# KiCad board selen-full.kicad_pcb
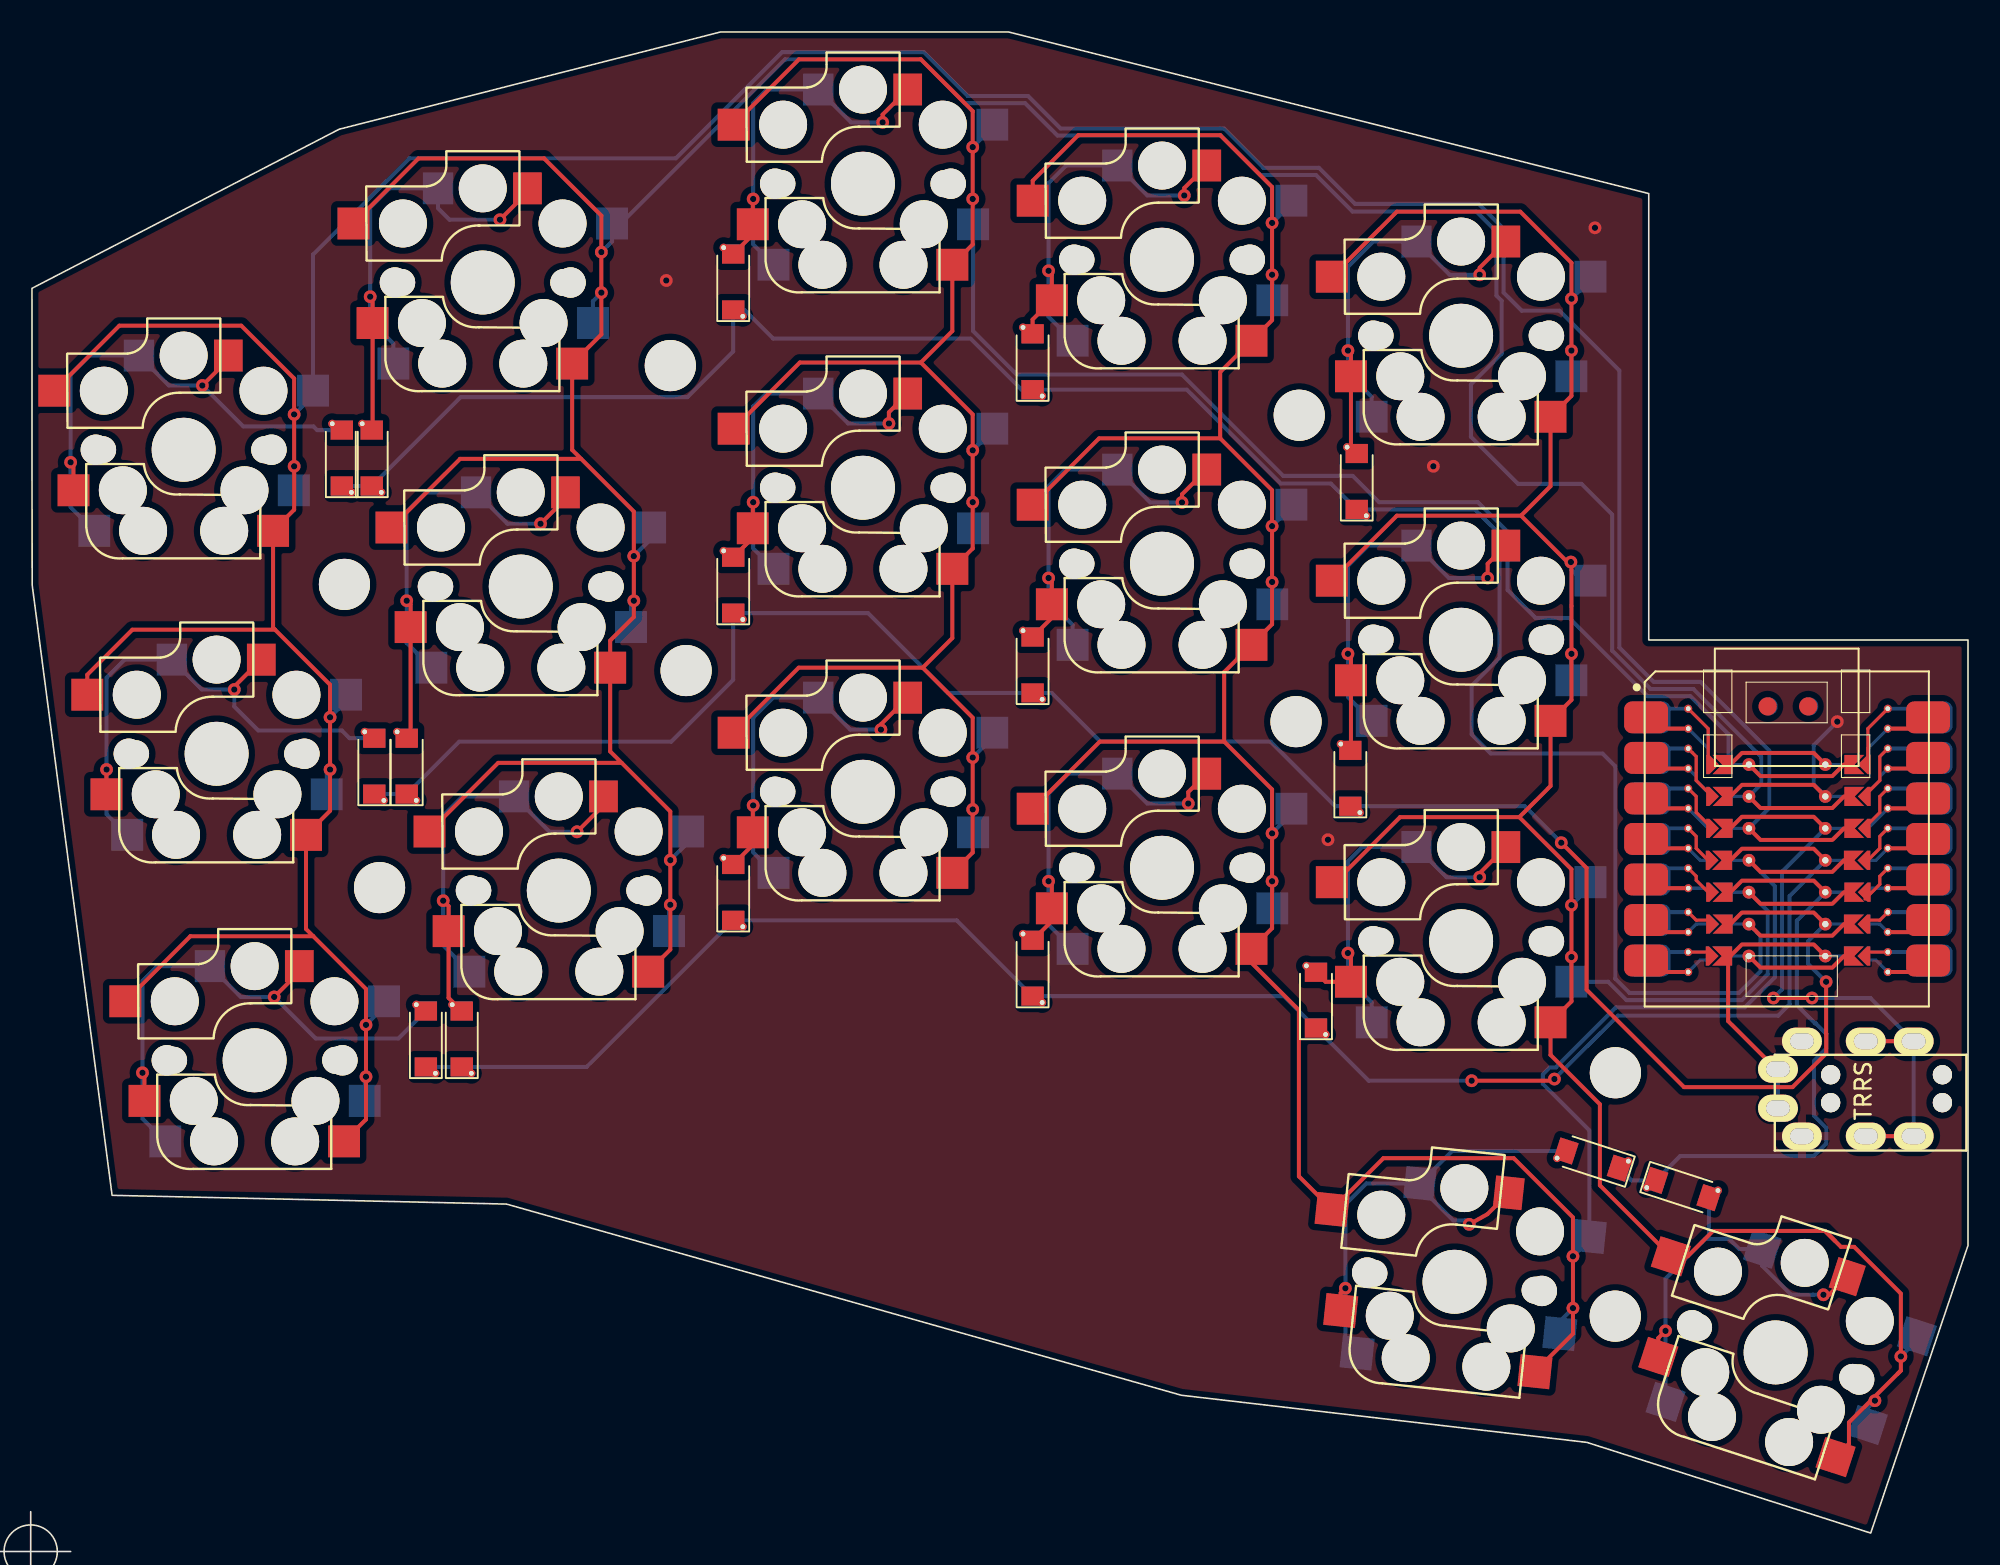
[diagram p0: board, top side]
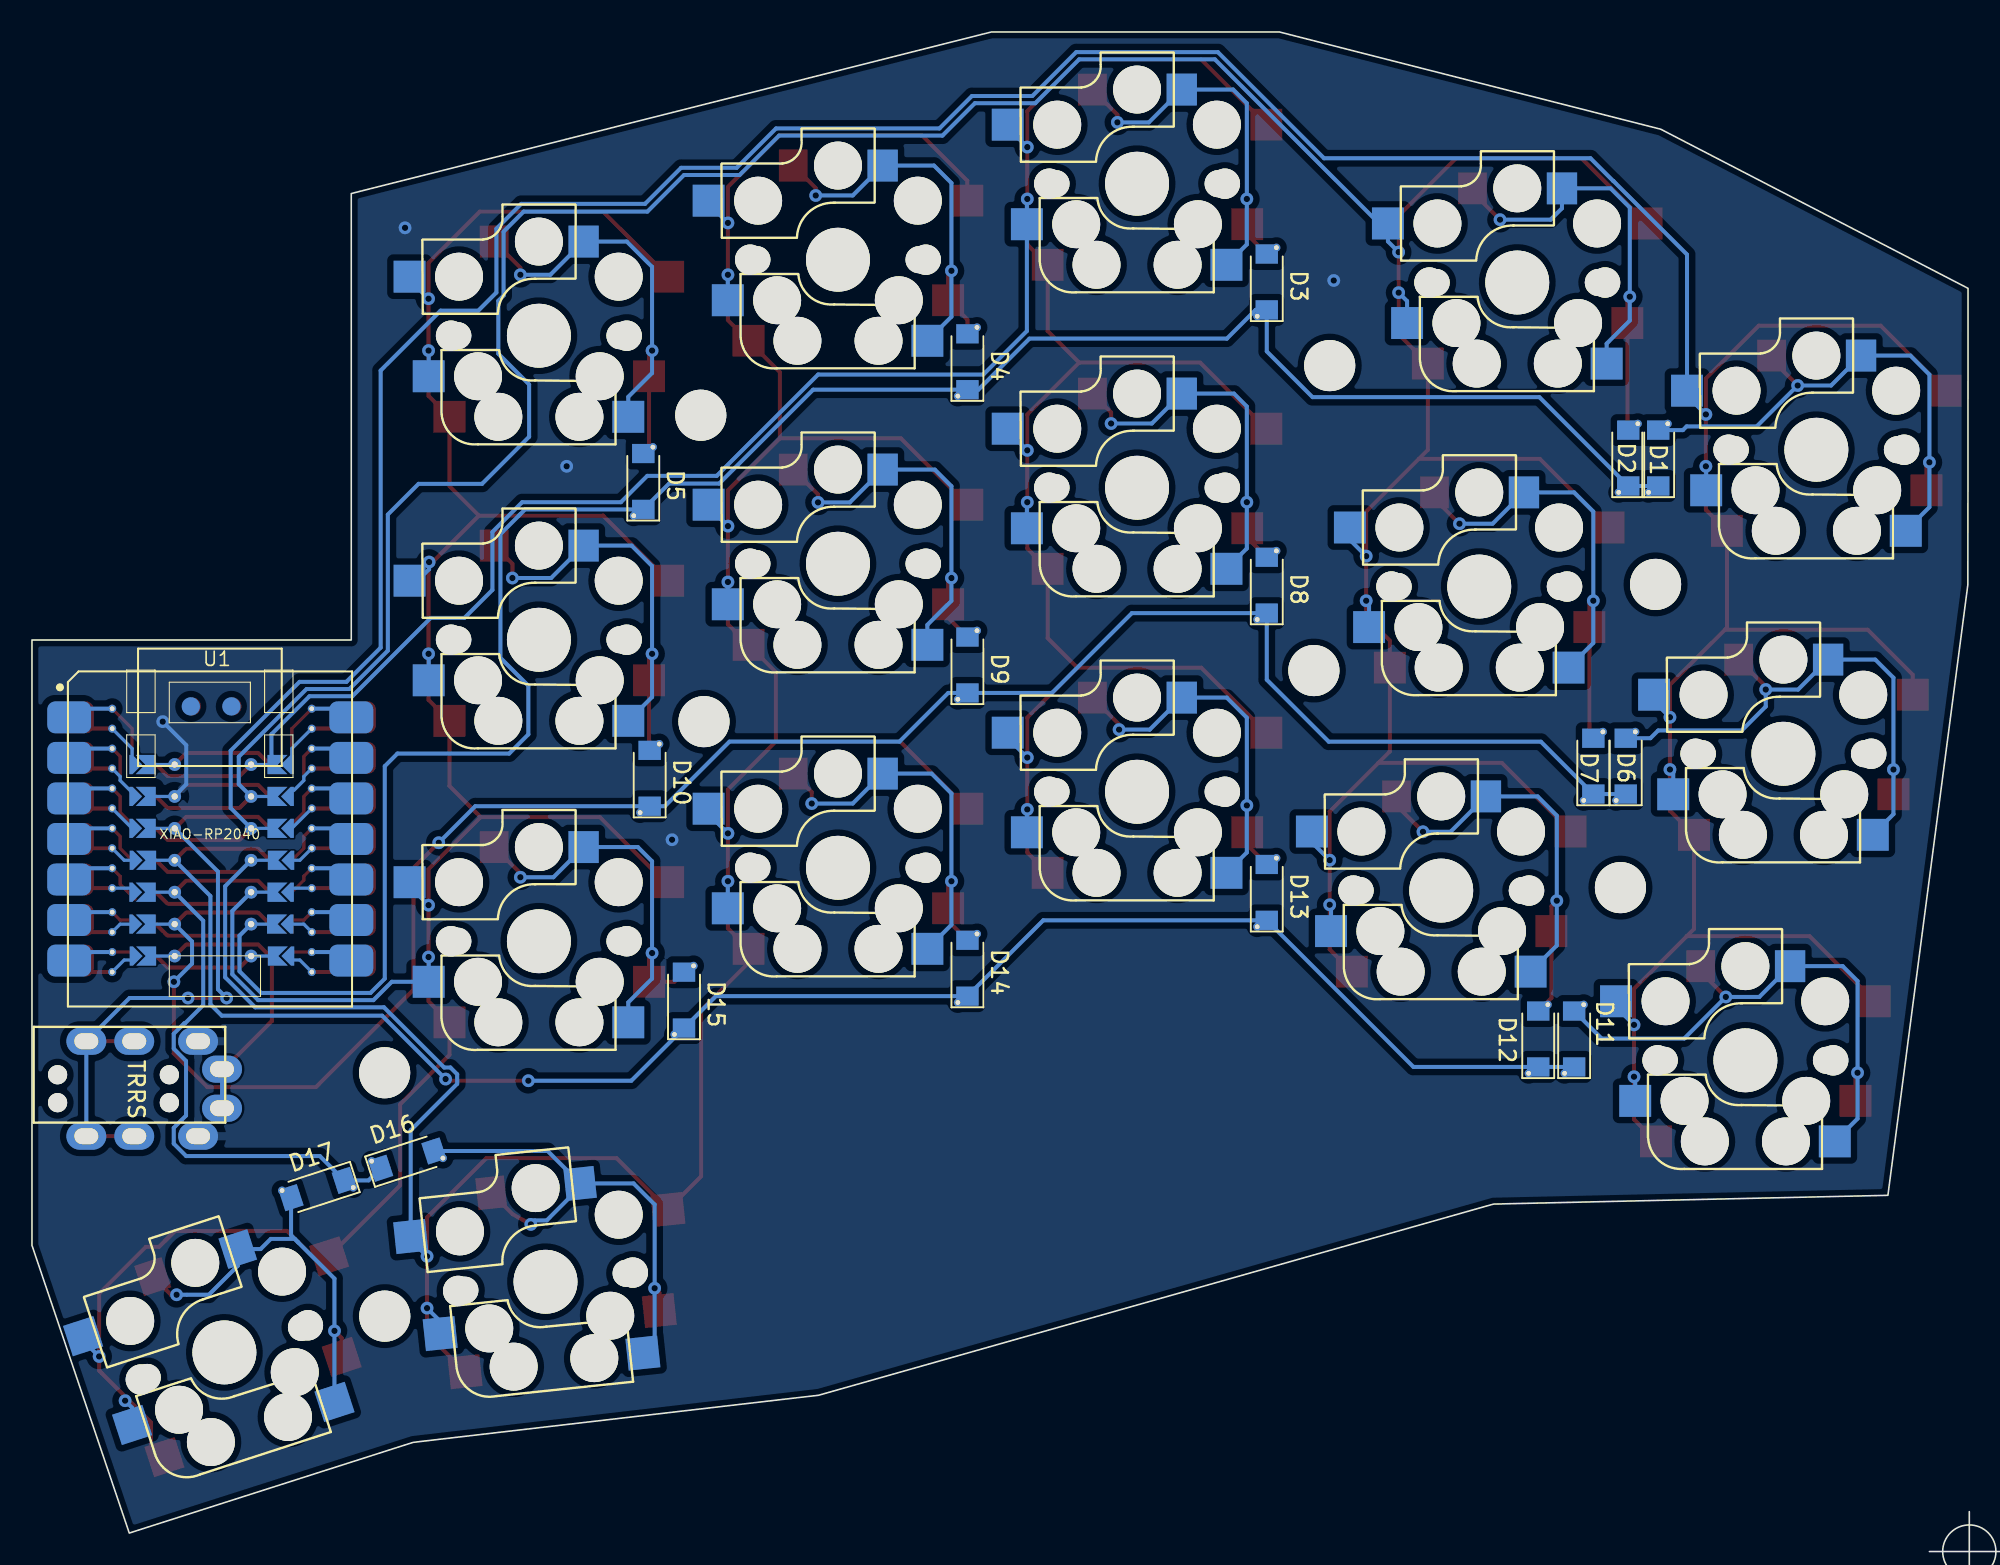
[diagram p1: board, bottom side, seen from below]

Outline 121.26 x 94.06 mm; copper layers: Top, Bottom. Coordinates in mm from the lower left corner of the outline.
Outline path: 101.26,83.93 101.26,55.96 121.26,55.96 121.26,18.03 115.17,0 97.39,5.68 71.99,8.64 29.72,20.61 5.02,21.16 0.01,59.43 0,78 19.24,87.97 43.14,94.06 61.15,94.06 closed
Stack: Top 0.035mm / dielectric 1.51mm FR4 er 4.5 / Bottom 0.035mm

## Placement (name value [footprint] x y rotation side)
D1  D  [D_SOD-123_axial]  19.41 67.31 90 top
D2  D  [D_SOD-123_axial]  21.28 67.31 90 top
D3  D  [D_SOD-123_axial]  43.92 78.34 90 top
D4  D  [D_SOD-123_axial]  62.67 73.34 90 top
D5  D  [D_SOD-123_axial]  82.97 65.84 90 top
D6  D  [D_SOD-123_axial]  21.44 48.01 90 top
D7  D  [D_SOD-123_axial]  23.47 48.01 90 top
D8  D  [D_SOD-123_axial]  43.92 59.34 90 top
D9  D  [D_SOD-123_axial]  62.67 54.34 90 top
D10  D  [D_SOD-123_axial]  82.57 47.24 90 top
D11  D  [D_SOD-123_axial]  24.67 30.91 90 top
D12  D  [D_SOD-123_axial]  26.92 30.91 90 top
D13  D  [D_SOD-123_axial]  43.92 40.09 90 top
D14  D  [D_SOD-123_axial]  62.67 35.34 90 top
D15  D  [D_SOD-123_axial]  80.42 33.34 90 top
D16  D  [D_SOD-123_axial]  97.8 23.39 162 top
D17  D  [D_SOD-123_axial]  103.32 21.57 342 top
J1  AudioJack4  [MJ-4PP-9]  121.16 26.97 270 top
REF**  -  [MountingHole_3.2mm_M3]  99.17 28.84 0 top
REF**#2  -  [MountingHole_3.2mm_M3]  79.37 70.04 0 top
REF**#3  -  [MountingHole_3.2mm_M3]  21.77 40.44 0 top
REF**#4  -  [MountingHole_3.2mm_M3]  39.98 73.15 0 top
REF**#5  -  [MountingHole_3.2mm_M3]  19.57 59.44 0 top
REF**#6  -  [MountingHole_3.2mm_M3]  79.17 50.84 0 top
REF**#7  -  [MountingHole_3.2mm_M3]  99.16 13.59 0 top
REF**#8  -  [MountingHole_3.2mm_M3]  40.97 54.04 0 top
SW1  SW_Push  [CherryMX_Choc_Hotswap]  9.5 67.88 180 top
SW2  SW_Push  [CherryMX_Choc_Hotswap]  28.23 78.36 180 top
SW3  SW_Push  [CherryMX_Choc_Hotswap]  52.05 84.55 180 top
SW4  SW_Push  [CherryMX_Choc_Hotswap]  70.78 79.79 180 top
SW5  SW_Push  [CherryMX_Choc_Hotswap]  89.51 75.03 180 top
SW6  SW_Push  [CherryMX_Choc_Hotswap]  11.57 48.83 180 top
SW7  SW_Push  [CherryMX_Choc_Hotswap]  30.62 59.31 180 top
SW8  SW_Push  [CherryMX_Choc_Hotswap]  52.05 65.5 180 top
SW9  SW_Push  [CherryMX_Choc_Hotswap]  70.78 60.74 180 top
SW10  SW_Push  [CherryMX_Choc_Hotswap]  89.51 55.98 180 top
SW11  SW_Push  [CherryMX_Choc_Hotswap]  13.95 29.62 180 top
SW12  SW_Push  [CherryMX_Choc_Hotswap]  33 40.26 180 top
SW13  SW_Push  [CherryMX_Choc_Hotswap]  52.05 46.45 180 top
SW14  SW_Push  [CherryMX_Choc_Hotswap]  70.78 41.69 180 top
SW15  SW_Push  [CherryMX_Choc_Hotswap]  89.51 37.08 180 top
SW16  SW_Push  [CherryMX_Choc_Hotswap]  89.1 15.75 174 top
SW17  SW_Push  [CherryMX_Choc_Hotswap]  109.21 11.32 162 top
U1  XIAO-RP2040  [XIAO-MOUDLE14P-2.54-21X17.8MM_SMD_reversible]  99.74 32.91 0 top

## Footprints (pads in the part's own frame, mm; a bottom-side part is the same pattern mirrored in y, then rotated)
CherryMX_Choc_Hotswap
  round 1.9 hole 1.9 unplated: (-5.5,0) (5.5,0)
  round 1.7 hole 1.7 unplated: (-5.08,0) (5.08,0)
  round 3 hole 3 unplated: (-5,-3.7) (-3.81,2.54) (-2.54,5.08) (0,-5.9) (2.54,5.08) (3.81,2.54) (5,-3.7)
  round 4 hole 4 unplated: (0,0)
  rect 2x2 smd far side: 1(-8.1,-3.7) 1(-6.9,2.54) 2(5.6,5.08)
  rect 2x2 smd: 1(-5.6,5.08) 1(8.1,-3.7) 2(6.9,2.54)
  rect 1.8x2 smd: 2(-2.8,-5.9)
  rect 1.9x2 smd far side: 2(2.8,-5.9)
D_SOD-123_axial
  round 0.5 hole 0.3: 1(-2.1,-0.6) 2(2.2,0.6)
  rect 1.2x1.4 smd: 1(-1.7,0) 2(1.8,0)
  rect 1.2x1.4 smd far side: 1(-1.7,0) 2(1.8,0)
MJ-4PP-9
  round 1.2 hole 1.2 unplated: (-1.75,-1.5) (-1.75,-8.5) (0,-1.5) (0,-8.5)
  oval 1.7x2.5 hole 1x1.5: A(-2.1,-11.8) A(0.35,-11.8) B(-3.85,-3.3) B(2.1,-3.3) C(-3.85,-6.3) C(2.1,-6.3) D(-3.85,-10.3) D(2.1,-10.3)
MountingHole_3.2mm_M3
  round 3.2 hole 3.2 unplated: (0,0)
XIAO-MOUDLE14P-2.54-21X17.8MM_SMD_reversible
  rrect 2.748x1.999 smd: (1.358,18.206) (1.358,15.666) (1.358,13.126) (1.358,10.586) (1.358,8.046) (1.358,5.506) (1.358,2.966) (19.024,18.206) (19.024,15.666) (19.024,13.126) (19.024,10.586) (19.024,8.046) (19.024,5.506) (19.024,2.966)
  rrect 2.748x1.999 smd far side: (1.524,18.206) (1.524,15.666) (1.524,13.126) (1.524,10.586) (1.524,8.046) (1.524,5.506) (1.524,2.966) (19.191,18.206) (19.191,15.666) (19.191,13.126) (19.191,10.586) (19.191,8.046) (19.191,5.506) (19.191,2.966)
  round 0.5 hole 0.3: (4,18.75) (4,17.5) (4,16.25) (4,15) (4,13.75) (4,12.5) (4,11.25) (4,10) (4,8.75) (4,7.5) (4,6) (4,4.75) (4,3.5) (4,2.25) (16.5,18.75) (16.5,17.5) (16.5,16.25) (16.5,15) (16.5,13.75) (16.5,12.5) (16.5,11.25) (16.5,10) (16.5,8.75) (16.5,7.5) (16.5,6) (16.5,4.75) (16.5,3.5) (16.5,2.25)
  custom 0.8x1.2 smd: (5.5,9.25) (5.5,3.25) (5.524,15.25) (5.524,13.25) (5.524,11.25) (5.524,7.25) (5.524,5.25) (15,9.25) (15,5.25) (15,3.25) (15.024,15.25) (15.024,13.25) (15.024,11.25) (15.024,7.25)
  custom 0.8x1.2 smd far side: (5.5,9.25) (5.5,3.25) (5.524,15.25) (5.524,13.25) (5.524,11.25) (5.524,7.25) (5.549,5.25) (15,9.25) (15,3.25) (15.024,15.25) (15.024,13.25) (15.024,11.25) (15.024,7.25) (15.024,5.25)
  custom 1.25x1.2 smd far side: 1(6.524,15.25) 2(6.524,13.25) 3(6.524,11.25) 4(6.5,9.25) 5(6.524,7.25) 6(6.549,5.25) 7(6.5,3.25) 8(14,3.25) 9(14.024,5.25) 10(14.024,7.25) 11(14,9.25) 12(14.024,11.25) 13(14.024,13.25) 14(14.024,15.25)
  custom 6.2x0.975 smd: 1(7.801,15.25) 2(7.801,13.25) 3(7.801,11.25) 4(7.801,9.25) 5(7.801,7.25) 6(7.801,5.25) 7(7.801,3.25) 8(12.587,3.25) 9(12.587,5.25) 10(12.587,7.25) 11(12.587,9.25) 12(12.587,11.25) 13(12.587,13.25) 14(12.587,15.25)
  round 0.8 hole 0.4: 1(7.801,15.25) 2(7.801,13.25) 3(7.801,11.25) 4(7.801,9.25) 5(7.801,7.25) 6(7.801,5.25) 7(7.801,3.25) 8(12.587,3.25) 9(12.587,5.25) 10(12.587,7.25) 11(12.587,9.25) 12(12.587,11.25) 13(12.587,13.25) 14(12.587,15.25)
  custom 1.25x1.2 smd: 1(14.024,15.25) 2(14.024,13.25) 3(14.024,11.25) 4(14,9.25) 5(14.024,7.25) 6(14,5.25) 7(14,3.25) 8(6.5,3.25) 9(6.524,5.25) 10(6.524,7.25) 11(6.5,9.25) 12(6.524,11.25) 13(6.524,13.25) 14(6.524,15.25)
  round 1.143 smd: 17(8.973,18.893) 18(11.513,18.893)
  round 1.143 smd far side: 17(11.576,18.893) 18(9.036,18.893)

## Nets
+3V3: J1.B J1.C U1.12
GND: J1.D U1.13
col0: SW1.1 SW6.1 SW11.1 U1.3
col1: SW2.1 SW7.1 SW12.1 U1.2
col2: SW3.1 SW8.1 SW13.1 U1.1
col3: SW4.1 SW9.1 SW14.1 SW16.1 U1.4
col4: SW5.1 SW10.1 SW15.1 SW17.1 U1.5
data: J1.A U1.8
row0: D1.1 D2.1 D3.1 D4.1 D5.1 U1.6
row1: D6.1 D7.1 D8.1 D9.1 D10.1 U1.9
row2: D11.1 D12.1 D13.1 D14.1 D15.1 U1.11
row3: D16.1 D17.1 U1.10
Net-(D1-Pad2): D1.2 SW1.2
Net-(D2-Pad2): D2.2 SW2.2
Net-(D3-Pad2): D3.2 SW3.2
Net-(D4-Pad2): D4.2 SW4.2
Net-(D5-Pad2): D5.2 SW5.2
Net-(D6-Pad2): D6.2 SW6.2
Net-(D7-Pad2): D7.2 SW7.2
Net-(D8-Pad2): D8.2 SW8.2
Net-(D9-Pad2): D9.2 SW9.2
Net-(D10-Pad2): D10.2 SW10.2
Net-(D11-Pad2): D11.2 SW11.2
Net-(D12-Pad2): D12.2 SW12.2
Net-(D13-Pad2): D13.2 SW13.2
Net-(D14-Pad2): D14.2 SW14.2
Net-(D15-Pad2): D15.2 SW15.2
Net-(D16-Pad2): D16.2 SW16.2
Net-(D17-Pad2): D17.2 SW17.2

Pads without a net: U1 7 14 17 18

## Via types
v1: diameter 0.8, hole 0.4, Top to Bottom, 79 vias

## Routing (per net, layer and track width the routed paths; a pad name or vN(x,y) marks a point on that pad's centre or on a via; arc(x,y) is an arc through that point)
+3V3: length 33.4
  Top w0.25: J1.C J1.B ; J1.C J1.B ; v1(109.07,33.53) v1(111.49,33.53)
  Bottom w0.25: J1.B J1.B 115.15,33.53 v1(111.49,33.53) ; 112.02,43.86 109.61,41.45 109.61,34.07 v1(109.07,33.53)
GND: length 7
  Bottom w0.25: 111.87,24.87 111.9,24.89 ; 111.9,30.79 111.87,30.82 ; 110.77,30.82 111.9,30.82 ; 111.17,25.27 110.77,24.87 ; 112.02,46.46 112.04,46.48 111.6,46.92 111.6,49.37 v1(113.07,50.84) ; 110.88,24.89 J1.D ; J1.D 110.88,30.79
  vias: v1(39.73,78.49) v1(81.17,43.44) v1(87.77,66.84) v1(97.89,81.79)
col0: length 249.3
  Top w0.25: SW1.1 5.48,75.66 13.11,75.66 16.42,72.34 v1(16.42,70.09) v1(16.42,66.84) 16.42,64.12 SW1.1 15.1,56.73 15.22,56.61 ; 17.62,37.4 9.92,37.4 SW11.1 ; 17.62,37.4 17.17,37.85 SW6.1 18.67,45.26 v1(18.67,47.84) 18.67,53.16 15.22,56.61 ; 17.62,37.4 20.92,34.09 v1(20.92,31.84) v1(20.92,28.59) 20.92,25.92 SW11.1 ; 15.22,56.61 6.29,56.61 3.47,53.78 SW6.1
  Bottom w0.25: SW11.1 22.05,32.97 v1(20.92,31.84) ; SW11.1 20.85,28.52 v1(20.92,28.59) ; v1(16.42,70.09) 17.6,71.27 SW1.1 17.6,80.11 22.2,84.71 22.21,84.71 23.65,86.14 40.34,86.14 46.99,92.79 55.86,92.79 58.61,90.04 62.39,90.04 64.42,88.01 74.66,88.01 77.13,85.55 80.61,85.55 82.87,83.29 90.62,83.29 92.17,81.73 92.17,77.73 93.31,76.59 95.67,76.59 99.42,72.84 99.42,55.48 101.57,53.34 104.5,53.34 108.82,49.02 108.82,45.44 107.84,44.46 ; SW6.1 18.47,47.64 v1(18.67,47.84) ; SW6.1 19.67,52.11 v1(18.67,51.12) ; SW1.1 16.4,66.82 v1(16.42,66.84)
col1: length 222.5
  Top w0.25: 36.93,48.26 39.98,45.21 v1(39.98,42.16) v1(39.98,39.37) 39.98,36.56 SW12.1 ; 36.93,48.26 36.22,48.98 SW7.1 36.22,55.92 37.7,57.4 v1(37.7,58.42) v1(37.7,61.21) 37.7,64.01 34.39,67.31 ; 36.93,48.26 29.2,48.26 24.9,43.96 ; SW2.1 24.21,86.13 32.08,86.13 35.66,82.55 v1(35.66,80.26) v1(35.66,77.72) 35.66,75.11 SW2.1 33.83,67.87 34.39,67.31 ; 34.39,67.31 26.82,67.31 SW7.1
  Bottom w0.25: v1(39.98,42.16) 41.1,43.28 SW12.1 ; SW7.1 37.52,58.24 v1(37.7,58.42) ; v1(39.98,39.37) 39.9,39.28 SW12.1 ; v1(35.66,77.72) 35.14,77.19 SW2.1 ; SW7.1 38.72,62.23 v1(37.7,61.21) ; v1(35.66,80.26) 36.33,80.93 SW2.1 36.89,82.06 47.17,92.34 55.67,92.34 58.42,89.59 62.2,89.59 64.24,87.56 74.47,87.56 76.94,85.1 80.42,85.1 82.71,82.8 90.46,82.8 91.72,81.54 91.72,77.54 92.05,77.21 92.05,73.9 90.12,71.97 90.12,68.69 93.07,65.74 97.05,65.74 98.97,63.82 98.97,55.29 101.38,52.89 104.06,52.89 108.31,48.64 108.31,46.93 107.84,46.46
col2: length 177.1
  Top w0.25: 55.67,73.34 58.92,70.09 v1(58.92,67.84) v1(58.92,64.59) 58.92,61.7 SW8.1 57.65,56.08 55.79,54.23 ; 55.67,73.34 48.09,73.34 SW8.1 ; 55.67,73.34 57.65,75.32 SW3.1 58.92,80.75 v1(58.92,83.59) v1(58.92,86.84) 58.92,89.09 55.67,92.34 48.04,92.34 SW3.1 ; 55.79,54.23 48.02,54.23 SW13.1 ; 55.79,54.23 58.92,51.09 v1(58.92,48.59) v1(58.92,45.34) 58.92,42.65 SW13.1
  Bottom w0.25: 106.26,48.58 106.26,50.05 103.88,52.44 101.19,52.44 96.29,57.34 94.17,57.34 92.42,59.09 92.42,62.73 90.56,64.59 84.37,64.59 82.72,66.24 78.37,66.24 72.02,72.59 61.67,72.59 58.95,75.32 SW3.1 58.95,83.57 v1(58.92,83.59) ; SW13.1 58.95,45.32 v1(58.92,45.34) ; SW3.1 60.15,88.07 v1(58.92,86.84) ; v1(58.92,67.84) 60.15,69.07 SW8.1 ; v1(58.92,64.59) 58.95,64.57 SW8.1 ; SW13.1 60.15,49.82 v1(58.92,48.59)
col3: length 196.5
  Top w0.25: SW4.1 62.68,84.74 65.54,87.59 74.42,87.59 77.67,84.34 v1(77.67,82.09) v1(77.67,78.84) 77.67,76 SW4.1 74.42,72.75 74.42,68.59 ; SW16.1 96.52,12.49 v1(96.52,14.09) v1(96.52,17.34) 96.52,19.78 92.81,23.49 84.65,23.49 SW16.1 79.35,22.35 79.35,32.77 76.38,35.74 SW14.1 77.67,37.9 v1(77.67,40.84) v1(77.67,43.84) 77.67,46.59 74.67,49.59 ; 74.42,68.59 77.67,65.34 v1(77.67,63.09) v1(77.67,59.59) 77.67,56.95 SW9.1 74.67,53.95 74.67,49.59 ; 74.42,68.59 66.84,68.59 SW9.1 ; 74.67,49.59 66.89,49.59 SW14.1
  Bottom w0.25: v1(77.67,82.09) 78.88,83.3 SW4.1 ; SW16.1 95.69,13.27 v1(96.52,14.09) ; 107.84,41.86 109.16,40.53 109.16,34.83 107.28,32.94 99.21,32.94 95.44,29.17 95.05,29.17 94.63,28.75 94.63,28.15 97.54,25.24 SW16.1 97.54,18.37 v1(96.52,17.34) ; SW9.1 78.88,64.3 v1(77.67,63.09) ; v1(77.67,78.84) 77.68,78.84 SW4.1 ; SW14.1 78.88,45.05 v1(77.67,43.84) ; SW14.1 77.68,40.84 v1(77.67,40.84) ; v1(77.67,59.59) 77.68,59.59 SW9.1
col4: length 179.5
  Top w0.25: 93.16,44.86 95.11,46.81 SW10.1 96.42,52.21 v1(96.42,55.09) 96.42,60.59 93.27,63.75 ; 93.16,44.86 96.42,41.59 v1(96.42,39.34) v1(96.42,36.09) 96.42,33.31 SW15.1 95.11,29.96 98.2,26.87 98.2,21.79 SW17.1 103.7,17.34 105.29,18.93 112.3,18.93 ; 93.16,44.86 85.69,44.86 81.61,40.78 SW15.1 ; 93.27,63.75 85.49,63.75 SW10.1 ; 93.27,63.75 95.11,65.6 SW5.1 96.42,71.26 v1(96.42,74.09) v1(96.42,77.34) 96.42,79.59 93.22,82.8 85.49,82.8 SW5.1 ; 112.91,18.32 113.3,17.93 114.13,17.93 117.05,15.01 v1(117.05,11.07) 117.05,10.18 ; 112.91,18.32 112.3,18.93 ; 112.91,18.32 112.3,18.93 ; 116.86,9.99 113.8,6.93 113.8,5.6 SW17.1 ; 116.86,9.99 117.05,10.18 ; 116.86,9.99 117.05,10.18
  Bottom w0.25: v1(96.42,74.09) 96.41,74.08 SW5.1 ; v1(96.39,60.84) 96.39,60.39 97.11,59.68 SW10.1 97.61,59.28 ; 107.84,39.86 108.71,38.98 108.71,35.01 107.09,33.39 99.87,33.39 98.72,34.54 SW15.1 96.41,36.08 v1(96.42,36.09) ; SW17.1 118.06,12.07 v1(117.05,11.07) ; SW17.1 114.99,7.86 v1(115.43,8.3) ; SW15.1 97.61,40.53 v1(96.42,39.34) ; SW10.1 96.41,55.08 v1(96.42,55.09) ; v1(96.42,77.34) 97.61,78.53 SW5.1 97.61,78.28
data: length 10.9
  Top w0.25: U1.8 106.24,32.08 109.25,29.07 J1.A
  Bottom w0.25: J1.A J1.A
row0: length 133.8
  Bottom w0.25: 90.67,63.84 91.92,62.59 91.92,54.84 90.17,53.09 90.17,50.04 91.37,48.84 98.37,48.84 99.16,48.05 99.16,34.74 100.06,33.84 106.91,33.84 108.26,35.2 108.26,37.43 107.84,37.86 ; 90.77,63.75 90.37,64.14 D5.1 81.35,65.76 78.22,65.76 72.34,71.64 D4.1 61.99,71.64 58.79,74.84 46.42,74.84 44.62,76.64 D3.1 43.92,74.04 41.06,71.18 26.85,71.18 D2.1 D1.1
row1: length 124.3
  Top w0.25: v1(95.78,43.26) 97.37,41.67 97.37,34.04 103.47,27.94 110.27,27.94 112.38,30.05 112.38,31.28 112.37,31.29 v1(112.37,34.54)
  Bottom w0.25: v1(95.78,43.26) 93.5,45.54 D10.1 81.62,45.54 77.57,49.59 66.92,49.59 63.87,52.64 D9.1 57.37,52.64 52.37,57.64 D8.1 43.92,53.47 40.04,49.59 26.75,49.59 D7.1 D6.1 ; 112.02,37.86 111.23,37.07 111.23,35.68 v1(112.37,34.54)
row2: length 104.9
  Top w0.25: v1(90.17,28.34) 95.25,28.34 v1(95.35,28.45)
  Bottom w0.25: D11.1 D12.1 34.74,29.21 D13.1 57.92,38.39 D14.1 78.42,33.64 D15.1 83.72,28.34 v1(90.17,28.34) ; 112.02,41.86 110.09,39.92 110.09,33.13 109.37,32.42 99.33,32.42 v1(95.35,28.45)
row3: length 31.7
  Bottom w0.25: D16.1 100.18,22.1 D17.1 103.23,23.62 111.6,23.62 112.38,24.4 112.38,25.39 111.61,26.16 111.61,29.58 112.38,30.35 112.38,31.28 111.72,31.94 111.67,31.94 110.54,33.08 110.54,38.37 112.02,39.86
Net-(D1-Pad2): length 34.2
  Top w0.25: v1(10.67,71.91) 12.3,73.54 SW1.2 ; v1(2.42,67.09) 2.6,66.91 SW1.2
  Bottom w0.25: D1.2 17.86,69.11 17.63,69.34 13.24,69.34 v1(10.67,71.91) 8.58,71.91 SW1.2 3.61,73.78 2.42,72.59 v1(2.42,67.09) 2.42,64.28 SW1.2
Net-(D2-Pad2): length 31.7
  Top w0.25: SW2.2 31.03,84.02 v1(29.31,82.3) ; v1(21.19,77.47) 21.33,77.32 SW2.2 21.33,69.16 D2.2
  Bottom w0.25: v1(29.31,82.3) 26.15,82.3 25.44,83.01 SW2.2 22.39,84.26 21.19,83.06 v1(21.19,77.47) 21.19,75.98 22.64,74.53 SW2.2
Net-(D3-Pad2): length 26.6
  Top w0.25: v1(53.28,88.39) 53.28,88.88 SW3.2 ; D3.2 45.15,81.37 SW3.2 45.15,83.57 v1(45.17,83.59)
  Bottom w0.25: SW3.2 45.17,80.75 v1(45.17,83.59) 45.17,89.59 46.03,90.45 SW3.2 51.3,88.39 v1(53.28,88.39)
Net-(D4-Pad2): length 27.2
  Top w0.25: v1(63.67,79.09) 63.88,78.89 SW4.2 62.67,76.04 D4.2 ; v1(72.17,83.81) 72.17,84.28 SW4.2
  Bottom w0.25: SW4.2 63.67,76.22 v1(63.67,79.09) 63.67,84.59 64.77,85.69 SW4.2 69.86,83.81 v1(72.17,83.81)
Net-(D5-Pad2): length 29.2
  Top w0.25: v1(82.42,74.09) 82.61,73.9 SW5.2 82.61,68 D5.2 ; v1(90.67,78.84) 90.67,79.29 SW5.2
  Bottom w0.25: v1(90.67,78.84) 88.79,78.84 SW5.2 84,80.93 82.42,79.34 v1(82.42,74.09) 82.42,72.69 83.91,71.2 SW5.2
Net-(D6-Pad2): length 34.4
  Top w0.25: SW6.2 4.67,47.84 v1(4.67,47.84) ; v1(12.67,52.86) 12.67,53.04 SW6.2
  Bottom w0.25: D6.2 19.89,49.81 19.41,50.29 14.17,50.29 12.67,51.79 v1(12.67,52.86) 10.64,52.86 SW6.2 5.81,54.73 4.67,53.59 v1(4.67,47.84) 4.67,45.05 SW6.2
Net-(D7-Pad2): length 31.5
  Top w0.25: D7.2 23.72,50.05 SW7.2 23.72,58.18 v1(23.47,58.42) ; 33.42,65.21 33.42,64.81 v1(31.85,63.25)
  Bottom w0.25: v1(31.85,63.25) 29.78,63.25 27.82,65.21 24.67,65.21 23.47,64.01 v1(23.47,58.42) 23.47,55.77 SW7.2
Net-(D8-Pad2): length 26.6
  Top w0.25: v1(53.67,69.53) 53.67,70.23 SW8.2 ; D8.2 45.15,62.37 SW8.2 45.15,64.57 v1(45.17,64.59)
  Bottom w0.25: SW8.2 45.17,61.7 v1(45.17,64.59) 45.17,70.59 45.98,71.4 SW8.2 51.12,69.53 v1(53.67,69.53)
Net-(D9-Pad2): length 27.2
  Top w0.25: SW9.2 72.03,65.09 v1(72.03,64.58) ; v1(63.67,59.84) 63.88,59.64 SW9.2 63.88,57.35 D9.2
  Bottom w0.25: SW9.2 65.18,56.91 63.67,58.42 v1(63.67,59.84) 63.67,65.59 64.72,66.64 SW9.2 70.04,64.58 v1(72.03,64.58)
Net-(D10-Pad2): length 29.1
  Top w0.25: SW10.2 91.17,60.74 v1(91.17,59.84) ; D10.2 82.61,49.08 SW10.2 82.61,54.9 v1(82.42,55.09)
  Bottom w0.25: SW10.2 82.42,52.39 v1(82.42,55.09) 82.42,60.59 83.7,61.88 SW10.2 88.74,59.84 v1(91.17,59.84)
Net-(D11-Pad2): length 35.8
  Top w0.25: SW11.2 16.75,35.17 v1(15.17,33.59) ; v1(6.92,28.84) 7.05,28.72 SW11.2
  Bottom w0.25: D11.2 22.95,30.99 17.78,30.99 v1(15.17,33.59) 13.08,33.59 SW11.2 7.85,35.52 6.92,34.59 v1(6.92,28.84) 6.92,25.97 SW11.2
Net-(D12-Pad2): length 30.6
  Top w0.25: SW12.2 35.8,45.6 v1(34.14,43.94) ; v1(25.76,39.62) 26.1,39.28 SW12.2 26.1,33.53 D12.2
  Bottom w0.25: 26.42,33.14 26.47,33.14 ; v1(34.14,43.94) 32.41,43.94 SW12.2 26.96,46.16 25.76,44.96 v1(25.76,39.62) 25.76,36.82 27.4,35.18
Net-(D13-Pad2): length 26.5
  Top w0.25: v1(45.17,45.59) 45.15,45.57 SW13.2 45.15,43.12 D13.2 ; v1(53.17,50.34) 53.17,50.68 SW13.2
  Bottom w0.25: v1(53.17,50.34) 51.25,50.34 SW13.2 46.43,52.35 45.17,51.09 v1(45.17,45.59) 45.17,42.65 SW13.2
Net-(D14-Pad2): length 27
  Top w0.25: SW14.2 72.42,46.43 v1(72.42,45.71) ; D14.2 63.88,38.35 SW14.2 63.88,40.64 v1(63.67,40.84)
  Bottom w0.25: SW14.2 63.67,38.12 v1(63.67,40.84) 63.67,46.34 64.92,47.59 SW14.2 69.86,45.71 v1(72.42,45.71)
Net-(D15-Pad2): length 27
  Top w0.25: SW15.2 90.67,41.34 v1(90.67,41.09) ; v1(82.42,36.34) 82.61,36.15 SW15.2 81.02,34.54 D15.2
  Bottom w0.25: SW15.2 83.91,33.25 82.42,34.74 v1(82.42,36.34) 82.42,42.09 83.31,42.98 SW15.2 88.6,41.09 v1(90.67,41.09)
Net-(D16-Pad2): length 33.8
  Top w0.25: v1(82.26,15.34) 81.97,15.05 SW16.2 ; v1(90.02,19.34) 91.16,19.99 SW16.2
  Bottom w0.25: v1(90.02,19.34) 89.77,19.59 89.02,19.59 86.93,21.68 SW16.2 ; SW16.2 88.96,23.94 D16.2 ; SW16.2 83.58,21.91 82.26,20.59 v1(82.26,15.34) 82.26,12.02 SW16.2
Net-(D17-Pad2): length 27.5
  Top w0.25: v1(112.2,14.93) 112.56,14.93 SW17.2 ; v1(102.31,12.67) 101.86,12.22 SW17.2
  Bottom w0.25: SW17.2 v1(102.31,12.67) 102.31,15.94 104.58,18.21 ; v1(112.2,14.93) 110.18,14.93 108.37,16.75 SW17.2 106.94,17.8 106.3,18.43 104.8,18.43 104.58,18.21 ; D17.2 105.03,18.66 104.58,18.21

## Copper pours and planes (outline as drawn; the poured copper is in the pictures)
GND on Top, Bottom: 101.26,83.93 101.26,55.96 121.26,55.96 121.26,18.03 115.17,0 97.39,5.68 71.99,8.64 29.72,20.61 5.02,21.16 0.01,59.43 0,78 19.24,87.97 43.14,94.06 61.15,94.06

## Text on the board
B.Mask: PCB Designed / by @narinari | Selen v.0.2.1
F.Mask: PCB Designed / by @narinari | Selen v.0.2.1
